# Allegro board PSU-Hirose-6Layers-Sep1.brd
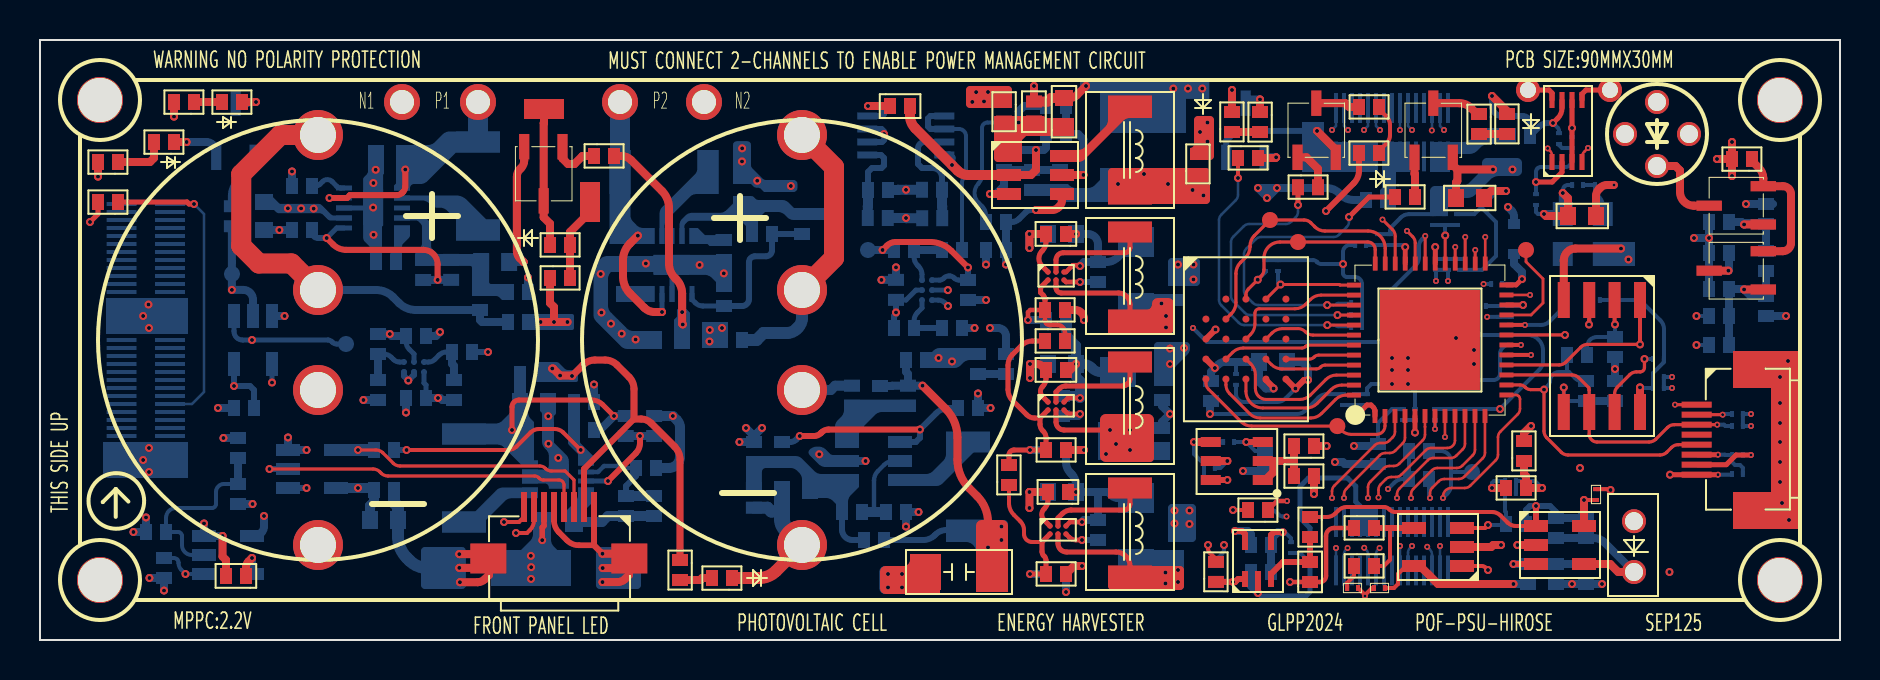
[diagram p0: board, top side]
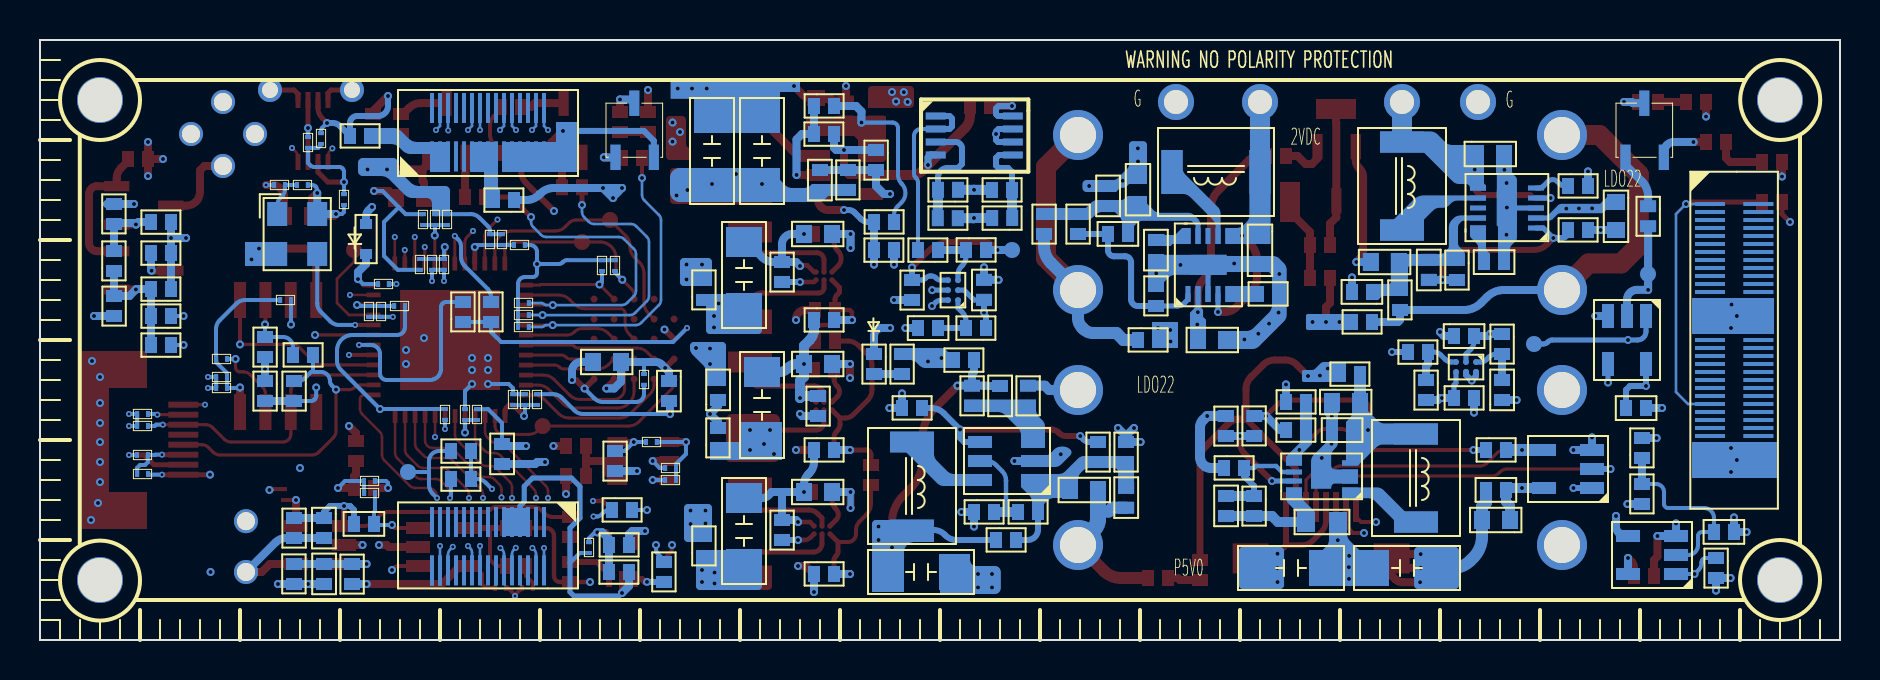
[diagram p1: board, bottom side, seen from below]

Outline 90 x 30 mm; copper layers: TOP, GND, SIG1, VCC, GND2, BOTTOM. Coordinates in mm from the lower left corner of the outline.
Outline path: 0,30 90,30 90,0 0,0 0,30

## Design rules (mm)
constraint set DEFAULT: min track width 0.127
net group N478267: nets N478267 N478271
net group N485107: nets N485107 N485115
net group N813852: nets N813852 N814000
net group N1128601: nets N1128601 N1642129
net group N1495908: nets N1495908 N1495915
net group N1504028: nets N1504028 N1504040
net group N1511461: nets N1511461 N1511469
net group P1V2: nets P1V2 P1V20
net group SIG_ALIVE: nets N1346126 SIG_ALIVE
net group VCAP: nets N821854 N822032
net group VCAP1: nets N478345 VCAP1
net group VCAP2: nets N485373 VCAP2
net group 1ST_EN: nets 1ST_EN BIO-8 BIO-9 N813698 N813706 N813884 N813992
net group BIO-1: nets BIO-1 BIO-3 N1161020
net group CHG_FULL: nets CHG_FULL LDO22-2 N821870 N822044 N823149 N823315 N824564 N824724 N1633088 UV_SHDN
net group MG1: nets RAM_ADQ7
net group N1493508: nets N1493508 N1504216 N1511693
net group N1528431: nets N1528431 N1528623 N1528651
net group P1V8ADJ_PRE: nets N1528387 N1528491 P1V8ADJ_PRE
net group P2V9ADJ: nets EIO-6 N1120309 N1120313 N1120345 PSU_UART_TX
net group P5033_PRE: nets N1521862 N1521910 N1521958 N1522062 N1522150 P5033_PRE

## Placement (name value [footprint] x y rotation side)
C1  0.1uF  [C0402_SMT]  42.5 26.7 0 top
C2  0.1uF  [C0402_SMT]  49.7 26.93 270 top
C3  10uF  [C0603_SMT]  51.2 25.7 90 top
C4  10uF  [C0603_SMT]  72.2 22.1 180 top
C5  10uF  [C0603_SMT]  76.4 21.2 0 top
C6  0.1uF  [C0402_SMT]  51.3 20.3 180 top
C7  CEN5R5205HF-ZG  [SUC_C_5D0_21D5_H_20D5]  13.9 15 270 top
C8  CEN5R5205HF-ZG  [SUC_C_5D0_21D5_H_20D5]  38.1 15 270 top
C9  0.1uF  [C0402_SMT]  51.3 13.5 180 top
C10  0.1uF  [C0402_SMT]  51.4 7.4 180 top
C11  0.1uF  [C0201_SMT]  77.8 7 90 top
C12  0.1uF  [C0201_SMT]  66.7 2.6 0 top
C13  0.1uF  [C0402_SMT]  63.5 2.9 90 top
C14  47uF  [C1206]  47.6 3.4 180 top
C15  0.1uF  [C0402_SMT]  10.3 3.2 180 top
C16  0.1uF  [C0201_SMT]  65.9 2.6 180 top
C17  0.1uF  [C0201_SMT]  75.95 24.8 90 bottom
C18  0.1uF  [C0201_SMT]  76.6 25.15 270 bottom
C19  47uF  [C1206]  56.4 22.8 90 bottom
C20  47uF  [C1206]  53.9 22.8 90 bottom
C21  10uF  [C0603_SMT]  18.2 24.3 180 bottom
C22  22pF  [C0402_SMT]  51 23.5 270 bottom
C23  10uF  [C0603_SMT]  35.1 21.8 90 bottom
C24  0.1uF  [C0402_SMT]  36.6 21.7 90 bottom
C25  0.1uF  [C0201_SMT]  74.8 21.75 90 bottom
C26  10uF  [C0603_SMT]  11.2 21.9 270 bottom
C27  10nF  [C0201_SMT]  70.25 20.75 90 bottom
C28  0.1uF  [C0201_SMT]  69.65 20.75 90 bottom
C29  10uF  [C0603_SMT]  50.4 20.3 0 bottom
C30  22pF  [C0402_SMT]  35.6 20.3 0 bottom
C31  10nF  [C0201_SMT]  67.5 19.75 90 bottom
C32  0.1uF  [C0201_SMT]  66.9 19.75 90 bottom
C33  1uF  [C0402_SMT]  34.2 20 270 bottom
C34  10uF  [C0603_SMT]  29 20.2 270 bottom
C35  10uF  [C0603_SMT]  22.05 18.9 0 bottom
C36  1uF  [C0402_SMT]  17.8 18.9 180 bottom
C37  0.1uF  [C0201_SMT]  70.4 19.05 270 bottom
C38  10nF  [C0201_SMT]  69.8 19.05 270 bottom
C39  22pF  [C0402_SMT]  20.55 19.01 270 bottom
C40  22uF  [C1206]  54.8 16.6 90 bottom
C41  0.1uF  [C0201_SMT]  73.1 17.8 180 bottom
C42  0.1uF  [C0402_SMT]  42.8 18.01 270 bottom
C43  0.1uF  [C0402_SMT]  23.4 17.4 0 bottom
C44  0.1uF  [C0201_SMT]  73.55 16.7 270 bottom
C45  10nF  [C0201_SMT]  72.95 16.7 270 bottom
C46  2.2uF  [C0402_SMT]  46.1 15.6 180 bottom
C47  0.1uF  [C0402_SMT]  19.3 15.2 180 bottom
C48  10uF  [C0603_SMT]  32.1 15 180 bottom
C49  10uF  [C0603_SMT]  60.95 13.9 0 bottom
C50  10uF  [C0603_SMT]  50.4 13.8 0 bottom
C51  10nF  [C0201_SMT]  80.65 13.15 0 bottom
C52  0.1uF  [C0201_SMT]  59.8 13.3 270 bottom
C53  0.1uF  [C0201_SMT]  80.65 12.6 0 bottom
C54  2.2uF  [C0402_SMT]  16.9 12 90 bottom
C55  22pF  [C0402_SMT]  42 11.7 90 bottom
C56  0.1uF  [C0201_SMT]  66.35 11.75 90 bottom
C57  10nF  [C0201_SMT]  65.75 11.75 90 bottom
C58  10uF  [C0603_SMT]  24 11.9 0 bottom
C59  22uF  [C1206]  53.9 10.1 90 bottom
C60  0.1uF  [C0402_SMT]  10.7 11.6 180 bottom
C61  0.1uF  [C0201_SMT]  68.75 11 90 bottom
C62  0.1uF  [C0402_SMT]  25.4 10.5 180 bottom
C63  0.47uF  [C0201_SMT]  85.15 9.25 180 bottom
C64  0.1uF  [C0201_SMT]  58.2 8.6 0 bottom
C65  0.1uF  [C0201_SMT]  73.8 7.95 180 bottom
C66  10uF  [C0603_SMT]  38.5 7.5 180 bottom
C67  0.1uF  [C0402_SMT]  16.7 7.5 0 bottom
C68  10uF  [C0603_SMT]  50.4 7.4 0 bottom
C69  0.1uF  [C0402_SMT]  35.7 6.61 90 bottom
C70  33pF  [C0402_SMT]  30.7 6.2 90 bottom
C71  10uF  [C0603_SMT]  16.5 6 0 bottom
C72  0.1uF  [C0402_SMT]  73.3 5.8 0 bottom
C73  1.5pF  [C0402_SMT]  75.8 6.1 270 bottom
C74  22uF  [C1206]  54.8 3.8 90 bottom
C75  0.1uF  [C0402_SMT]  5.3 5.4 0 bottom
C76  0.1uF  [C0201_SMT]  62.55 4.35 90 bottom
C77  22uF  [C1206]  25.8 3.6 0 bottom
C78  22uF  [C1206]  23.3 3.6 180 bottom
C79  47uF  [C1206]  47.6 3.4 180 bottom
C80  DNP  [C0402_SMT]  75.8 2.8 90 bottom
D1  GREEN LED  [LED0402_SMT]  10.1 26.9 180 top
D2  GREEN LED  [LED0402_SMT]  59.6 25.4 90 top
D3  GREEN LED  [LED0402_SMT]  73.35 25.3 90 top
D4  GREEN LED  [LED0402_SMT]  6.7 24.9 180 top
D5  GREEN LED  [LED0402_SMT]  66.95 24.35 180 top
D6  GREEN LED  [LED0402_SMT]  25.5 19.75 0 top
D7  GREEN LED  [LED0402_SMT]  34.6 3.1 180 top
D8  1N5819WT  [SOD-523]  73.7 19.3 90 bottom
D9  GREEN LED  [LED0402_SMT]  48.3 14.3 270 bottom
FB1  BLM15PX121SN1D  [L0201_SMT]  66.3 19.75 180 bottom
FB2  BLM15PX121SN1D  [L0201_SMT]  71 19.05 270 bottom
FB3  BLM15PX121SN1D  [L0201_SMT]  71.75 16.7 0 bottom
FB4  BLM15PX121SN1D  [L0201_SMT]  65.15 11.75 90 bottom
FB5  BLM15PX121SN1D  [L0201_SMT]  68.15 11 90 bottom
J1  CONN-1X8  [FPC-0D5-8P]  82.83 11.77 270 top
J2  CONN-1X8  [FPC-0D5-8P]  27.7 6.65 180 top
J3  CONN-2X15P  [DF40HC_3D0_30DS_0D4]  70.4 26.6 180 bottom
J4  DF40HC(3.0)-70DS-0.4V(51)  [DF40HC-70DS_]  4.08 21.8 270 bottom
J5  CONN-2X15P  [DF40HC_3D0_30DS_0D4]  64.8 3.48 0 bottom
L1  47uH/200mA  [IND_SMD_4D4X4D2]  54.5 26.7 270 top
L2  2.2uH/200mA  [IND_SMD_4D4X4D2]  54.5 20.4 270 top
L3  2.2uH/200mA  [IND_SMD_4D4X4D2]  54.5 13.9 270 top
L4  2.2uH/200mA  [IND_SMD_4D4X4D2]  54.5 7.6 270 top
L5  -  [IND_SMD_4D4X4D2]  29 23.4 0 bottom
L6  -  [IND_SMD_4D4X4D2]  21.9 24.9 270 bottom
L7  2.2uH  [L0402]  56.1 12 90 bottom
L8  2.2uH  [L0402]  58.55 12.95 270 bottom
L9  2.2uH  [L0402]  66.9 8.8 90 bottom
L10  4.7uH/200mA  [IND_SMD_4D4X4D2]  21.2 10.3 270 bottom
L11  47uH/100mA  [IND_SMD_4D4X4D2]  46.4 9.9 270 bottom
L12  0R  [L0603]  26.7 5.9 180 bottom
LD1  LaserDiode  [LD_CIR_THR_4P]  80.85 25.3 90 top
NOREF  -  []  0 0 90 top
NOREF#2  -  [unnamed#2]  87 27 0 top
NOREF#3  -  [unnamed#2]  87 3 0 top
NOREF#4  -  [unnamed#2]  3 27 0 top
NOREF#5  -  []  0 30 0 top
NOREF#6  -  [unnamed#2]  3 3 0 top
PD1  Photodiode  [PD-THR-2P]  79.7 3.4 90 top
Q1  MMBT2222ALT1G  [SOT-23-3]  62.4 23.7 0 top
Q2  MMBT2222ALT1G  [SOT-23-3]  68.25 23.7 0 top
Q3  MMBT2222ALT1G  [SOT-23-3]  26.6 25.1 180 top
Q4  BFR93AWH6327  [SOT23-3]  86.6 20.3 90 top
Q5  BFR93AWH6327  [SOT23-3]  86.6 17.05 90 top
Q6  MMBT2222ALT1G  [SOT-23-3]  61.7 23.7 180 bottom
Q7  MMBT2222ALT1G  [SOT-23-3]  11.2 23.7 180 bottom
R1  20K  [R0402_SMT]  7.7 26.9 180 top
R2  20K  [R0402_SMT]  65.95 26.65 0 top
R3  0  [R0402_SMT]  48.2 26.92 270 top
R4  20K  [R0402_SMT]  61 26.4 270 top
R5  20K  [R0402_SMT]  71.95 26.3 270 top
R6  1K  [R0402_SMT]  27.7 24.2 0 top
R7  1K  [R0402_SMT]  59.9 24.1 0 top
R8  51  [R0402_SMT]  85.6 24.05 180 top
R9  20K  [R0402_SMT]  3.9 23.9 180 top
R10  0  [R0402_SMT]  57.9 23.3 90 top
R11  1K  [R0402_SMT]  62.9 22.64 0 top
R12  1K  [R0402_SMT]  67.75 22.15 0 top
R13  DNP  [R0402_SMT]  3.9 21.9 180 top
R14  20K  [R0402_SMT]  25.5 18.1 0 top
R15  0  [R0402_SMT]  50.25 16.5 0 top
R16  0  [R0402_SMT]  50.25 14.95 0 top
R17  DNP  [R0402_SMT]  63.7 9.7 180 top
R18  DNP  [R0402_SMT]  50.3 9.5 0 top
R19  DNP  [R0402_SMT]  74.2 8.95 90 top
R20  0  [R0402_SMT]  48.45 7.75 90 top
R21  0  [R0402_SMT]  63.7 8.2 180 top
R22  DNP  [R0402_SMT]  73.3 7.6 0 top
R23  DNP  [R0402_SMT]  61.4 6.5 180 top
R24  10K  [R0402_SMT]  65.7 5.6 0 top
R25  DNP  [R0402_SMT]  63.5 6.15 270 top
R26  10K  [R0402_SMT]  65.7 3.7 0 top
R27  DNI  [R0402_SMT]  32 4 270 top
R28  0  [R0402_SMT]  58.8 2.91 90 top
R29  DNP  [R0402_SMT]  50.3 3.3 0 top
R30  DNI  [R0402_SMT]  51.3 26.7 180 bottom
R31  0  [R0402_SMT]  50.3 25.3 0 bottom
R32  39K  [R0402_SMT]  48.2 24.5 270 bottom
R33  150K  [R0402_SMT]  49.6 22.5 90 bottom
R34  DNP  [R0201_SMT]  77.75 22.75 0 bottom
R35  0R  [R0201_SMT]  77.15 22.75 180 bottom
R36  200K  [R0402_SMT]  13.6 22.7 180 bottom
R37  1M  [R0402_SMT]  44.1 22.51 0 bottom
R38  1M  [R0402_SMT]  42.4 22.5 180 bottom
R39  510  [R0402_SMT]  86.3 20.8 90 bottom
R40  1K  [R0402_SMT]  9.6 21.69 270 bottom
R41  1M  [R0402_SMT]  45.11 21.09 180 bottom
R42  2M  [R0402_SMT]  41.39 21.1 0 bottom
R43  100R  [R0201_SMT]  70.85 20.75 90 bottom
R44  DNI  [R0402_SMT]  48.3 20.9 180 bottom
R45  510  [R0402_SMT]  83.45 20.9 0 bottom
R46  0  [R0402_SMT]  39.8 21.3 270 bottom
R47  1M  [R0402_SMT]  38.1 21.3 270 bottom
R48  270K  [R0402_SMT]  13.6 20.5 180 bottom
R49  5.1K  [R0402_SMT]  43.7 19.5 180 bottom
R50  100K  [R0402_SMT]  47.3 19.5 0 bottom
R51  1K  [R0402_SMT]  45.1 19.5 0 bottom
R52  51  [R0402_SMT]  83.45 19.35 0 bottom
R53  DNP  [R0402_SMT]  86.3 18.45 90 bottom
R54  4.7K  [R0201_SMT]  61.9 18.45 90 bottom
R55  4.7K  [R0201_SMT]  61.25 18.45 90 bottom
R56  1M  [R0402_SMT]  19.16 19 270 bottom
R57  40.2K  [R0402_SMT]  52.9 18.9 270 bottom
R58  510  [R0402_SMT]  83.45 17.55 0 bottom
R59  0  [R0402_SMT]  56.8 17 90 bottom
R60  20K  [R0402_SMT]  46.4 18 270 bottom
R61  200K  [R0402_SMT]  29.1 17.3 180 bottom
R62  270K  [R0402_SMT]  34.2 16.7 90 bottom
R63  0  [R0402_SMT]  22 16.5 90 bottom
R64  10K  [R0201_SMT]  77.45 17 0 bottom
R65  6.8K  [R0201_SMT]  66.1 16.85 180 bottom
R66  510  [R0402_SMT]  86.3 17.2 270 bottom
R67  0  [R0402_SMT]  68.85 15.9 90 bottom
R68  DNP  [R0402_SMT]  67.45 15.9 90 bottom
R69  6.8K  [R0201_SMT]  66.1 16.25 180 bottom
R70  DNP  [R0402_SMT]  83.45 16.2 0 bottom
R71  DNP  [R0402_SMT]  51.3 16 180 bottom
R72  0  [R0402_SMT]  24.4 15.9 180 bottom
R73  6.8K  [R0201_SMT]  66.1 15.65 180 bottom
R74  3.3K  [R0402_SMT]  42.7 15.6 0 bottom
R75  0  [R0402_SMT]  35.1 15 180 bottom
R76  3.3K  [R0402_SMT]  16.9 15.3 270 bottom
R77  510  [R0402_SMT]  83.45 14.75 0 bottom
R78  0  [R0402_SMT]  78.75 15.15 270 bottom
R79  160  [R0402_SMT]  20.6 14.4 0 bottom
R80  DNI  [R0402_SMT]  77.35 14.25 180 bottom
R81  10K  [R0201_SMT]  80.65 14.05 0 bottom
R82  0  [R0402_SMT]  43.3 14 0 bottom
R83  12K  [R0402_SMT]  46.9 14.3 270 bottom
R84  0  [R0402_SMT]  24 13.3 0 bottom
R85  300  [R0402_SMT]  20.7 13 270 bottom
R86  DNI  [R0402_SMT]  78.75 12.95 270 bottom
R87  0  [R0402_SMT]  77.3 12.95 270 bottom
R88  150K  [R0402_SMT]  43.4 12.71 270 bottom
R89  33.2K  [R0402_SMT]  40.6 12.71 270 bottom
R90  10K  [R0402_SMT]  19.3 12.1 180 bottom
R91  100K  [R0402_SMT]  27.7 11.9 180 bottom
R92  20K  [R0402_SMT]  51.1 12.2 270 bottom
R93  DNP  [R0402_SMT]  46.9 11.6 180 bottom
R94  10K  [R0201_SMT]  84.6 11.3 0 bottom
R95  2.2K  [R0201_SMT]  69.75 11.55 270 bottom
R96  DNI  [R0402_SMT]  29.29 10.2 90 bottom
R97  10K  [R0201_SMT]  84.6 10.7 0 bottom
R98  0  [R0402_SMT]  30.7 11.2 270 bottom
R99  DNI  [R0402_SMT]  26.7 10.5 0 bottom
R100  0  [R0402_SMT]  56.1 9.6 90 bottom
R101  10K  [R0201_SMT]  59.7 9.9 180 bottom
R102  10K  [R0402_SMT]  9.9 9.1 90 bottom
R103  DNP  [R0402_SMT]  51.3 9.5 180 bottom
R104  2K  [R0402_SMT]  17.7 9.5 180 bottom
R105  0  [R0402_SMT]  68.45 9.45 0 bottom
R106  0  [R0402_SMT]  37.1 9.9 270 bottom
R107  0  [R0402_SMT]  35.7 9.9 270 bottom
R108  0  [R0402_SMT]  61.25 9.45 270 bottom
R109  309K  [R0402_SMT]  30.8 8.6 180 bottom
R110  10K  [R0201_SMT]  84.6 8.3 0 bottom
R111  DNP  [R0402_SMT]  68.45 8.05 0 bottom
R112  1K  [R0201_SMT]  58.2 8 0 bottom
R113  10K  [R0201_SMT]  73.25 7.35 0 bottom
R114  6.8K  [R0402_SMT]  9.9 6.8 90 bottom
R115  1M  [R0402_SMT]  29.3 7.2 270 bottom
R116  0  [R0402_SMT]  61.4 6.5 180 bottom
R117  0  [R0402_SMT]  43.3 6.4 180 bottom
R118  DNI  [R0402_SMT]  41.1 6.4 180 bottom
R119  10K  [R0402_SMT]  77.3 6.1 270 bottom
R120  11.8K  [R0402_SMT]  52.9 6 270 bottom
R121  DNP  [R0402_SMT]  42.2 5 180 bottom
R122  DNP  [R0402_SMT]  61.55 4.75 180 bottom
R123  0  [R0402_SMT]  56.8 4.2 90 bottom
R124  100K  [R0402_SMT]  6.2 4.1 270 bottom
R125  DNP  [R0402_SMT]  58.8 2.9 90 bottom
R126  DNP  [R0402_SMT]  60.55 3.4 0 bottom
R127  0  [R0402_SMT]  77.3 2.8 90 bottom
R128  DNP  [R0402_SMT]  51.3 3.3 180 bottom
R129  DNP  [R0402_SMT]  74.4 3.8 270 bottom
R130  DNP  [R0402_SMT]  66.3 22 0 bottom
R131  DNP  [R0402_SMT]  74.5 25.2 180 bottom
TP1  T POINT R  [TP_THR_CIR_0D8_1D2]  74.4 27.5 0 top
TP2  T POINT R  [TP_THR_CIR_0D8_1D2]  78.5 27.5 0 top
TP3  T POINT R  [TP_SMD_REC_1D0X2D0]  25.2 26.55 90 top
TP4  T POINT R  [TP_SMD_REC_1D0X2D0]  27.5 21.9 0 top
TP5  T POINT R  [TP_SMD_CIR_0D8_NP]  61.5 21 0 top
TP6  T POINT R  [TP_SMD_CIR_0D8_NP]  62.9 19.9 0 top
TP7  T POINT R  [TP_SMD_CIR_0D8_NP]  64.87 10.7 0 top
TP8  Solar Cell V-  [TP_THR_1D8_1D2]  33.2 26.9 180 bottom
TP9  Solar Cell V+  [TP_THR_1D8_1D2]  29 26.9 180 bottom
TP10  Solar Cell V+  [TP_THR_1D8_1D2]  21.9 26.9 180 bottom
TP11  Solar Cell V-  [TP_THR_1D8_1D2]  18.1 26.9 180 bottom
TP12  T POINT R  [TP_SMD_CIR_0D8_NP]  41.4 19.5 180 bottom
TP13  T POINT R  [TP_SMD_CIR_0D8_NP]  9.6 18.3 180 bottom
TP14  T POINT R  [TP_SMD_CIR_0D8_NP]  15.3 14.8 180 bottom
TP15  T POINT R  [TP_SMD_CIR_0D8_NP]  71.6 8.4 180 bottom
TP16  T POINT R  [TP_SMD_CIR_0D8_NP]  74.3 19.5 0 top
U1  TXS0102DCUR  [VSSOP-8]  75.6 23.9 90 top
U2  LTC3542ES6  [TSOT-23-6]  51.1 24.2 270 top
U3  MAX38650AANT+  [WLP-6]  50.4 18.4 0 top
U4  APS25608N-OBR-BD  [BGA-24]  58.3 17.05 0 top
U5  iCE40UP5K- SG48  [QFN-48]  69.5 15 90 top
U6  W25Q32JVZPIQ/WSON-8  [SOIC-8]  80 17 270 top
U7  MAX38650AANT+  [WLP-6]  50.4 11.9 0 top
U8  TPS22995HQDDCRQ1  [SOT-23-6]  61.14 8 180 top
U9  MAX38650AANT+  [WLP-6]  50.5 5.7 0 top
U10  OPA320AIDBVR  [SOT-23-5]  74.8 5.7 0 top
U11  OPA320AIDBVR  [SOT-23-5]  71.1 3.7 180 top
U12  LMV7291MGX/NOPB  [SC70-5]  60.25 4.9 0 top
U13  ADA4051-2ARMZ  [MSOP-8]  41.6 26.2 270 bottom
U14  LTC3105EDD#PBF  [DFN-10]  18.1 20.6 90 bottom
U15  LTC3105EDD#PBF  [DFN-10]  32.6 20.2 180 bottom
U16  ADCMP380-(1/2)ACBZ-RL7  [WLCSP-6]  44.1 16.99 0 bottom
U17  SN74LVC1G32DBVR  [SOT-23-5]  9.7 16.2 270 bottom
U18  ADCMP380-(1/2)ACBZ-RL7  [WLCSP-6]  18.2 13.9 270 bottom
U19  LTC3542ES6  [TSOT-23-6]  43 8 90 bottom
U20  SN74AUP1G08DBVR  [SOT-23-5]  12.4 7.6 0 bottom
U21  LTC3539EDCB-2#TRPBF  [DFN-8]  27.3 7.5 90 bottom
U22  SN74LVC1G32DBVR  [SOT-23-5]  8.2 3.3 0 bottom
Y1  12.0MHz  [SMD2520-4P]  77.1 20.3 270 bottom

## Library data of the parts
C1 C42 C47 = CAP NP: signal model: DEFAULT_CAPACITOR_100000pF_2_1
C2 C6 C9-C13 C15-C18 C24 C27 C28 C30-C32 C37-C39 C41 C43-C45 C49 C51-C53 C56 C57 C60-C65 C67 C69 C72 C73 C75 C76 C80 = CAP NP
C3-C5 C21 C23 C25 C26 C29 C34 C35 C48 C50 C58 C66 C68 C71 = CAP NP: signal model: DEFAULT_CAPACITOR_1e+07pF_2_1
C7 C8 = SuperCapacitor
C14 C19 C20 C40 C59 C74 C77-C79 = CAP NP: signal model: DEFAULT_CAPACITOR_2.2e+07pF_2_1
C22 C55 C70 = CAP NP: signal model: DEFAULT_CAPACITOR_33.000000pF_2_1
C33 C36 = CAP NP: signal model: DEFAULT_CAPACITOR_1e+06pF_2_1
C46 C54 = CAP NP: signal model: DEFAULT_CAPACITOR_2.2e+06pF_2_1
D1-D7 D9 = LED
D8 = DIODE
FB1-FB5 = INDUCTOR
J1 J2 = CONN-1X8
J3 J5 = CONN-2X15P
J4 = Header2x35
L1-L4 L7-L12 = INDUCTOR: signal model: DEFAULT_INDUCTOR_4700nH_2_1
L5 L6 = INDUCTOR_IND_SMD_4D4X4D2_10UH/1A: signal model: DEFAULT_INDUCTOR_10000nH_2_1
LD1 = LaserDiode_0
PD1 = Photodiode
Q1-Q3 Q6 Q7 = MMBT2222AL
Q4 Q5 = 2SC1815
R1-R5 R7 R9-R14 R17 R19 R21 R22 R24-R28 R43 R46 R54 R55 R59 R63-R65 R67-R69 R72 R73 R75 R78 R80-R84 R86 R87 R94 R95 R97 R100 R101 R107 R108 R110 R112 R113 R119 R122 R123 R125-R127 R129-R131 = R
R6 R15 R16 R18 R20 R23 R29-R31 R34 R35 R40 R44 R50 R57 R60 R71 R90-R93 R96 R98 R99 R102-R106 R111 R114 R116-R118 R120 R121 R124 R128 = R: signal model: DEFAULT_RESISTOR_10000OHM_2_1
R8 R52 = R: signal model: DEFAULT_RESISTOR_40.000000OHM_2_1
R32 R89 R109 = R: signal model: DEFAULT_RESISTOR_562000OHM_2_1
R33 R37 R38 R41 R42 R48 R62 R88 R115 = R: signal model: DEFAULT_RESISTOR_0.001OHM_2_1
R36 R61 = R: signal model: DEFAULT_RESISTOR_200000OHM_2_1
R39 R45 R53 R58 R66 R70 R77 = R: signal model: DEFAULT_RESISTOR_510.000000OHM_2_1
R47 R56 = R: signal model: DEFAULT_RESISTOR_0.00226OHM_2_1
R49 R85 = R: signal model: DEFAULT_RESISTOR_147000OHM_2_1
R51 R79 = R: signal model: DEFAULT_RESISTOR_36000OHM_2_1
R74 R76 = R: signal model: DEFAULT_RESISTOR_3300OHM_2_1
TP1-TP7 TP12-TP16 = T POINT R
TP8-TP11 = T POINT A
U1 = TXS0102DCUR
U2 U19 = LTC3542ES6
U3 U7 U9 = MAX38650AANT+
U4 = APS25608N-OBR-BD_2
U5 = iCE40UP5K- SG48
U6 = W25Q64JW
U8 = TPS22995H-Q1
U10 U11 = OPA320AIDBVR
U12 = LMV7291MGX/NOPB
U13 = ADA4051-2ARMZ
U14 U15 = LTC3105EDD#PBF
U16 U18 = ADCMP380-1ACBZ-RL7
U17 U22 = SN74LVC1G32DBVR
U20 = SN74AUP1G08
U21 = LTC3539EDCB#PBF
Y1 = OSCILLATOR

## Footprints (pads in the part's own frame, mm; a bottom-side part is the same pattern mirrored in y, then rotated)
BGA-24
  round 0.35 smd: A2(1,0) A3(2,0) A4(3,0) A5(4,0) B1(0,-1) B2(1,-1) B3(2,-1) B4(3,-1) B5(4,-1) C1(0,-2) C2(1,-2) C3(2,-2) C4(3,-2) C5(4,-2) D1(0,-3) D2(1,-3) D3(2,-3) D4(3,-3) D5(4,-3) E1(0,-4) E2(1,-4) E3(2,-4) E4(3,-4) E5(4,-4)
C0201_SMT
  rect 0.2x0.3 smd: 1(0,0) 2(0.544,0)
C0402_SMT
  rect 0.6x0.8 smd: 1(0,0) 2(1,0)
C0603_SMT
  rect 0.8x0.9 smd: 1(0,0) 2(1.4,0)
C1206
  rect 1.5x1.8 smd: 1(0,0) 2(3.3,0)
DF40HC-70DS_
  rect 0.2x1.5 smd: 1(0,-2.42) 2(0,0) 3(0.4,-2.42) 4(0.4,0) 5(0.8,-2.42) 6(0.8,0) 7(1.2,-2.42) 8(1.2,0) 9(1.6,-2.42) 10(1.6,0) 11(2,-2.42) 12(2,0) 13(2.4,-2.42) 14(2.4,0) 15(2.8,-2.42) 16(2.8,0) 17(3.2,-2.42) 18(3.2,0) 19(3.6,-2.42) 20(3.6,0) 21(4,-2.42) 22(4,0) 23(4.4,-2.42) 24(4.4,0) 25(4.8,-2.42) 26(4.8,0) 27(5.2,-2.42) 28(5.2,0) 29(5.6,-2.42) 30(5.6,0) 31(6,-2.42) 32(6,0) 33(6.4,-2.42) 34(6.4,0) 35(6.8,-2.42) 36(6.8,0) 37(7.2,-2.42) 38(7.2,0) 39(7.6,-2.42) 40(7.6,0) 41(8,-2.42) 42(8,0) 43(8.4,-2.42) 44(8.4,0) 45(8.8,-2.42) 46(8.8,0) 47(9.2,-2.42) 48(9.2,0) 49(9.6,-2.42) 50(9.6,0) 51(10,-2.42) 52(10,0) 53(10.4,-2.42) 54(10.4,0) 55(10.8,-2.42) 56(10.8,0) 57(11.2,-2.42) 58(11.2,0) 59(11.6,-2.42) 60(11.6,0) 61(12,-2.42) 62(12,0) 63(12.4,-2.42) 64(12.4,0) 65(12.8,-2.42) 66(12.8,0) 67(13.2,-2.42) 68(13.2,0) 69(13.6,-2.42) 70(13.6,0)
DF40HC_3D0_30DS_0D4
  rect 0.2x1.5 smd: 1(0,-2.42) 2(0,0) 3(0.4,-2.42) 4(0.4,0) 5(0.8,-2.42) 6(0.8,0) 7(1.2,-2.42) 8(1.2,0) 9(1.6,-2.42) 10(1.6,0) 11(2,-2.42) 12(2,0) 13(2.4,-2.42) 14(2.4,0) 15(2.8,-2.42) 16(2.8,0) 17(3.2,-2.42) 18(3.2,0) 19(3.6,-2.42) 20(3.6,0) 21(4,-2.42) 22(4,0) 23(4.4,-2.42) 24(4.4,0) 25(4.8,-2.42) 26(4.8,0) 27(5.2,-2.42) 28(5.2,0) 29(5.6,-2.42) 30(5.6,0)
DFN-8
  rect 0.25x0.8 smd: 1(0,-2.8) 2(0.45,-2.8) 3(0.9,-2.8) 4(1.35,-2.8) 5(1.35,0) 6(0.9,0) 7(0.45,0) 8(0,0)
  rect 1.2x1 smd: 9(0.676,-1.355)
DFN-10
  rect 0.25x0.8 smd: 1(0,-2.9) 2(0.5,-2.9) 3(1,-2.9) 4(1.5,-2.9) 5(2,-2.9) 6(2,0) 7(1.5,0) 8(1,0) 9(0.5,0) 10(0,0)
  rect 1.8x1 smd: 11(1.022,-1.444)
FPC-0D5-8P
  rect 0.3x1.5 smd: 1(0,0) 2(0.5,0) 3(1,0) 4(1.5,0) 5(2,0) 6(2.5,0) 7(3,0) 8(3.5,0)
  rect 1.8x1.5 smd: 9(-1.767,2.573) 10(5.283,2.573)
IND_SMD_4D4X4D2
  rect 1.05x2.2 smd: 1(0,0) 2(4.4,0)
L0201_SMT
  rect 0.2x0.3 smd: 1(0,0) 2(0.544,0)
L0402
  rect 0.6x0.8 smd: 1(0,0) 2(1,0)
L0603
  rect 0.9x1 smd: 1(0,0) 2(1.6,0)
LD_CIR_THR_4P
  round 1.2 hole 0.9: 1(1.6,0) 2(-1.6,0) 3(0,1.6) 4(0,-1.6)
LED0402_SMT
  rect 0.6x0.8 smd: 1(0,0) 2(1,0)
MSOP-8
  rect 0.35x1 smd: 1(-0.001,-3.615) 2(0.649,-3.615) 3(1.299,-3.615) 4(1.949,-3.615) 5(1.949,0.241) 6(1.299,0.241) 7(0.649,0.241) 8(-0.001,0.241)
PD-THR-2P
  round 1.2 hole 0.9: 1(0,0) 2(2.54,0)
QFN-48
  rect 0.7x0.24 smd: 1(-3.801,2.748) 2(-3.801,2.248) 3(-3.801,1.748) 4(-3.801,1.248) 5(-3.801,0.748) 6(-3.801,0.248) 7(-3.801,-0.252) 8(-3.801,-0.752) 9(-3.801,-1.252) 10(-3.801,-1.752) 11(-3.801,-2.252) 12(-3.801,-2.752) 25(3.822,-2.764) 26(3.822,-2.264) 27(3.822,-1.764) 28(3.822,-1.264) 29(3.822,-0.764) 30(3.822,-0.264) 31(3.822,0.236) 32(3.822,0.736) 33(3.822,1.236) 34(3.822,1.736) 35(3.822,2.236) 36(3.822,2.736)
  rect 0.24x0.7 smd: 13(-2.748,-3.826) 14(-2.248,-3.826) 15(-1.748,-3.826) 16(-1.248,-3.826) 17(-0.748,-3.826) 18(-0.248,-3.826) 19(0.252,-3.826) 20(0.752,-3.826) 21(1.252,-3.826) 22(1.752,-3.826) 23(2.252,-3.826) 24(2.752,-3.826) 37(2.746,3.797) 38(2.246,3.797) 39(1.746,3.797) 40(1.246,3.797) 41(0.746,3.797) 42(0.246,3.797) 43(-0.254,3.797) 44(-0.754,3.797) 45(-1.254,3.797) 46(-1.754,3.797) 47(-2.254,3.797) 48(-2.754,3.797)
  rect 5x5 smd: 49(0,0)
R0201_SMT
  rect 0.2x0.3 smd: 1(0,0) 2(0.544,0)
R0402_SMT
  rect 0.6x0.8 smd: 1(0,0) 2(1,0)
SC70-5
  rect 0.3x0.8 smd: 1(0,-1.85) 2(0.65,-1.85) 3(1.3,-1.85) 4(1.3,0) 5(0,0)
SMD2520-4P
  rect 1.2x1 smd: 1(-1,-1.04) 2(1,-1.04) 3(1,0.96) 4(-1,0.96)
SOD-523
  rect 0.5x0.6 smd: 1(0,0) 2(1.5,0)
SOIC-8
  rect 1.8x0.6 smd: 1(0,0) 2(0,-1.27) 3(0,-2.54) 4(0,-3.81) 5(5.6,-3.81) 6(5.6,-2.54) 7(5.6,-1.27) 8(5.6,0)
SOT23-3
  rect 0.51x1.27 smd: 1(0.476,0.434) 2(2.391,0.434) 3(1.415,3.142)
SOT-23-3
  rect 0.51x1.27 smd: 1(0.476,0.434) 2(2.391,0.434) 3(1.415,3.142)
SOT-23-5
  rect 1.2x0.6 smd: 1(0,0) 2(0,-0.95) 3(0,-1.9) 4(2.4,-1.9) 5(2.4,0)
SOT-23-6
  rect 1x0.5 smd: 1(0,0) 2(0,-0.95) 3(0,-1.9) 4(2.6,-1.9) 5(2.6,-0.95) 6(2.6,0)
SUC_C_5D0_21D5_H_20D5
  round 2.5 hole 1.8: 1(-2.5,0) 2(2.5,0) 3(-10.25,0) 4(10.25,0)
TP_SMD_CIR_0D8_NP
  round 0.8 smd: 1(0,0)
TP_SMD_REC_1D0X2D0
  rect 1x2 smd: 1(0,0)
TP_THR_1D8_1D2
  round 1.8 hole 1.2: 1(0,0)
TP_THR_CIR_0D8_1D2
  round 1.2 hole 0.8: 1(0,0)
TSOT-23-6
  rect 0.6x1.2 smd: 1(0,-2.65) 2(0.95,-2.65) 3(1.9,-2.65) 4(1.9,0) 5(0.95,0) 6(0,0)
unnamed#2
  round 2.3 hole 2.2 unplated: (0,0)
VSSOP-8
  rect 0.8x0.25 smd: 1(0,0) 2(0,-0.5) 3(0,-1) 4(0,-1.5) 5(3.1,-1.5) 6(3.1,-1) 7(3.1,-0.5) 8(3.1,0)
WLCSP-6
  round 0.3 smd: A1(0,0) A2(0.5,0) B1(0,-0.5) B2(0.5,-0.5) C1(0,-1) C2(0.5,-1)
WLP-6
  round 0.27 smd: A1(0,0) A2(0.4,0) A3(0.8,0) B1(0,-0.4) B2(0.4,-0.4) B3(0.8,-0.4)
